# Altium PCB MB1166.PcbDoc (part 2 of 39) (continued)
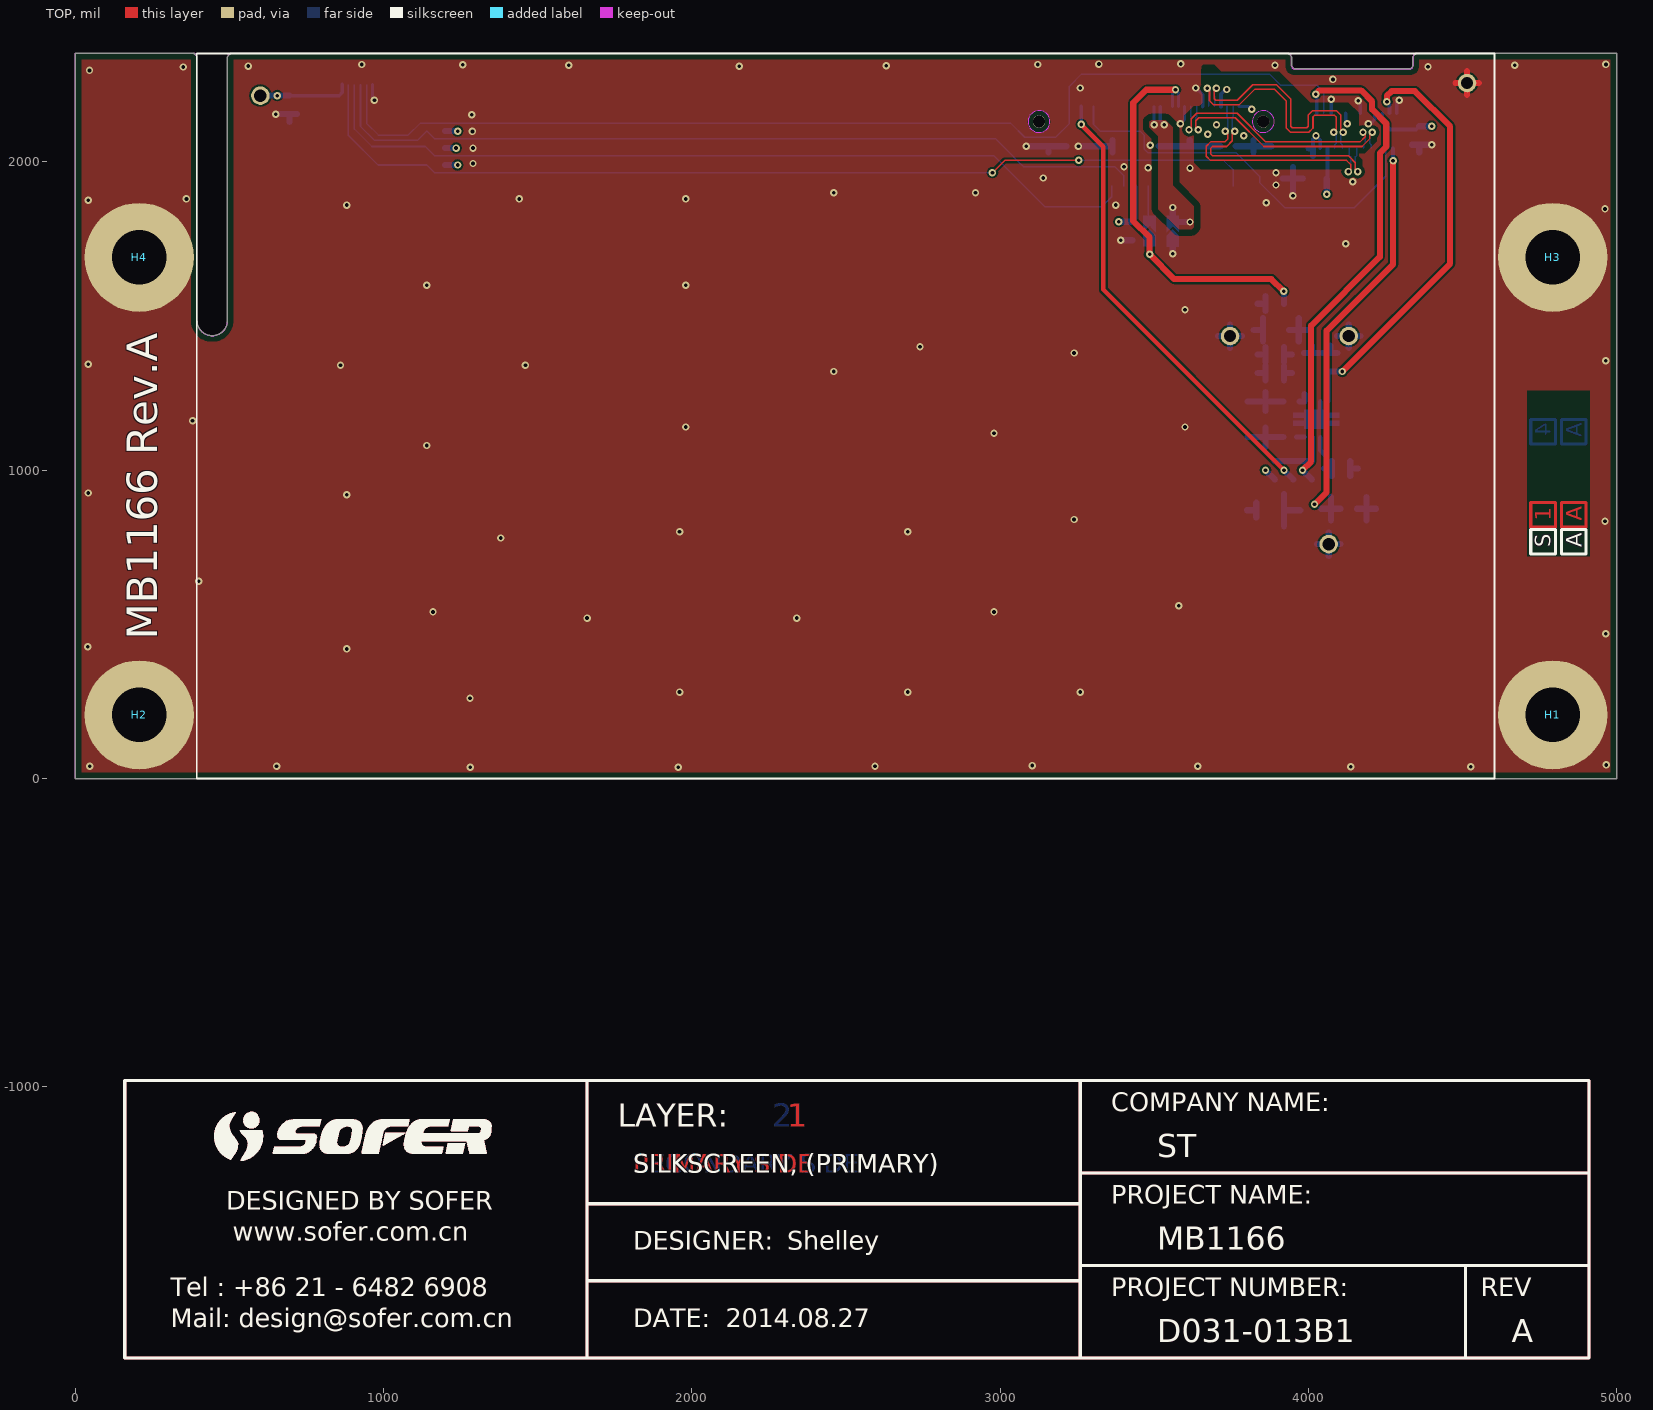
[diagram p0: TOP view]
## Nets (pads, with @x,y where several pads share a name; then routed paths per layer and width w, separated by ;. In a path a pad name is that pad's centre, name@x,y a point inside that pad or via, vN(x,y) a via of type N, cw(c..) or ccw(c..) an arc to the next point about the centre after c; other vN are vias at no path point) (continued)
883.62,-1106.74 794.17,-1196.19 ; 794.17,-1196.19 794.13,-1195.99 ; 794.17,-1196.19 794.19,-1196.28 ; 794.17,-1196.19 794.13,-1195.99 ; 794.17,-1196.19 794.19,-1196.28 ; 794.13,-1180.53 794.14,-1180.43 ; 794.13,-1180.53 794.14,-1180.43 ; 794.14,-1180.43 794.18,-1180.23 ; 794.14,-1180.43 794.18,-1180.23 ; 794.2,-1196.38 794.19,-1196.28 ; 794.2,-1196.38 794.26,-1196.68 ; 794.2,-1196.38 794.19,-1196.28 ; 794.2,-1196.38 794.26,-1196.68 ; 794.18,-1180.23 794.19,-1180.13 ; 794.18,-1180.23 794.19,-1180.13 ; 794.19,-1180.13 794.21,-1180.03 ; 794.19,-1180.13 794.21,-1180.03 ; 794.21,-1180.03 794.22,-1179.93 ; 794.21,-1180.03 794.22,-1179.93 ; 794.22,-1179.93 794.24,-1179.84 ; 794.22,-1179.93 794.24,-1179.84 ; 794.26,-1196.68 794.28,-1196.77 ; 794.26,-1196.68 794.28,-1196.77 ; 794.24,-1179.84 794.28,-1179.64 ; 794.24,-1179.84 794.28,-1179.64 ; 794.32,-1196.97 794.28,-1196.77 ; 794.32,-1196.97 794.35,-1197.07 ; 794.32,-1196.97 794.28,-1196.77 ; 794.32,-1196.97 794.35,-1197.07 ; 794.28,-1179.64 794.29,-1179.54 ; 794.28,-1179.64 794.29,-1179.54 ; 794.29,-1179.54 794.35,-1179.24 ; 794.29,-1179.54 794.35,-1179.24 ; 794.37,-1197.17 794.35,-1197.07 ; 794.37,-1197.17 794.39,-1197.26 ; 794.37,-1197.17 794.35,-1197.07 ; 794.37,-1197.17 794.39,-1197.26 ; 794.35,-1179.24 794.36,-1179.15 ; 794.35,-1179.24 794.36,-1179.15 ; 794.36,-1179.15 794.44,-1178.75 ; 794.36,-1179.15 794.44,-1178.75 ; 794.39,-1197.26 794.43,-1197.46 ; 794.39,-1197.26 794.43,-1197.46 ; 794.46,-1197.56 794.43,-1197.46 ; 794.46,-1197.56 794.48,-1197.65 ; 794.46,-1197.56 794.43,-1197.46 ; 794.46,-1197.56 794.48,-1197.65 ; 794.44,-1178.75 794.46,-1178.66 ; 794.44,-1178.75 794.46,-1178.66 ; 794.46,-1178.66 794.5,-1178.46 ; 794.46,-1178.66 794.5,-1178.46 ; 794.51,-1197.75 794.48,-1197.65 ; 794.51,-1197.75 794.53,-1197.85 ; 794.51,-1197.75 794.48,-1197.65 ; 794.51,-1197.75 794.53,-1197.85 ; 794.5,-1178.46 794.51,-1178.36 ; 794.5,-1178.46 794.51,-1178.36 ; 794.51,-1178.36 794.55,-1178.16 ; 794.51,-1178.36 794.55,-1178.16 ; 794.56,-1197.94 794.53,-1197.85 ; 794.56,-1197.94 794.58,-1198.04 ; 794.56,-1197.94 794.53,-1197.85 ; 794.56,-1197.94 794.58,-1198.04 ; 794.55,-1178.16 794.57,-1178.07 ; 794.55,-1178.16 794.57,-1178.07 ; 794.57,-1178.07 794.65,-1177.67 ; 794.57,-1178.07 794.65,-1177.67 ; 794.61,-1198.14 794.58,-1198.04 ; 794.61,-1198.14 794.63,-1198.23 ; 794.61,-1198.14 794.58,-1198.04 ; 794.61,-1198.14 794.63,-1198.23 ; 794.63,-1198.23 794.69,-1198.43 ; 794.63,-1198.23 794.69,-1198.43 ; 794.65,-1177.67 794.67,-1177.58 ; 794.65,-1177.67 794.67,-1177.58 ; 794.67,-1177.58 794.75,-1177.18 ; 794.67,-1177.58 794.75,-1177.18 ; 794.71,-1198.52 794.69,-1198.43 ; 794.71,-1198.52 794.74,-1198.62 ; 794.71,-1198.52 794.69,-1198.43 ; 794.71,-1198.52 794.74,-1198.62 ; 794.77,-1198.71 794.74,-1198.62 ; 794.77,-1198.71 794.83,-1198.91 ; 794.77,-1198.71 794.74,-1198.62 ; 794.77,-1198.71 794.83,-1198.91 ; 794.75,-1177.18 794.78,-1177.09 ; 794.75,-1177.18 794.78,-1177.09 ; 794.78,-1177.09 794.84,-1176.79 ; 794.78,-1177.09 794.84,-1176.79 ; 794.86,-1199 794.83,-1198.91 ; 794.86,-1199 794.89,-1199.1 ; 794.86,-1199 794.83,-1198.91 ; 794.86,-1199 794.89,-1199.1 ; 794.84,-1176.79 794.86,-1176.7 ; 794.84,-1176.79 794.86,-1176.7 ; 794.86,-1176.7 794.94,-1176.3 ; 794.86,-1176.7 794.94,-1176.3 ; 794.92,-1199.19 794.89,-1199.1 ; 794.92,-1199.19 794.95,-1199.29 ; 794.92,-1199.19 794.89,-1199.1 ; 794.92,-1199.19 794.95,-1199.29 ; 794.95,-1199.29 794.98,-1199.38 ; 794.95,-1199.29 794.98,-1199.38 ; 794.94,-1176.3 794.96,-1176.21 ; 794.94,-1176.3 794.96,-1176.21 ; 794.96,-1176.21 795.02,-1175.91 ; 794.96,-1176.21 795.02,-1175.91 ; 795.01,-1199.48 794.98,-1199.38 ; 795.01,-1199.48 795.04,-1199.57 ; 795.01,-1199.48 794.98,-1199.38 ; 795.01,-1199.48 795.04,-1199.57 ; 795.02,-1175.91 795.04,-1175.82 ; 795.02,-1175.91 795.04,-1175.82 ; 795.04,-1199.57 795.08,-1199.67 ; 795.04,-1199.57 795.08,-1199.67 ; 795.04,-1175.82 795.06,-1175.72 ; 795.04,-1175.82 795.06,-1175.72 ; 795.06,-1175.72 795.09,-1175.62 ; 795.06,-1175.72 795.09,-1175.62 ; 795.1,-1199.74 888.11,-1106.74 795.1,-1199.74 ; 795.11,-1199.76 795.08,-1199.67 ; 795.11,-1199.76 795.14,-1199.86 ; 795.11,-1199.76 795.08,-1199.67 ; 795.11,-1199.76 795.14,-1199.86 ; 795.09,-1175.62 795.13,-1175.42 ; 795.09,-1175.62 795.13,-1175.42 ; 795.17,-1199.95 795.14,-1199.86 ; 795.17,-1199.95 795.21,-1200.04 ; 795.17,-1199.95 795.14,-1199.86 ; 795.17,-1199.95 795.21,-1200.04 ; 795.13,-1175.42 795.15,-1175.33 ; 795.13,-1175.42 795.15,-1175.33 ; 795.15,-1175.33 795.23,-1174.93 ; 795.15,-1175.33 795.23,-1174.93 ; 795.21,-1200.04 795.24,-1200.14 ; 795.21,-1200.04 795.24,-1200.14 ; 795.24,-1200.14 795.28,-1200.23 ; 795.24,-1200.14 795.28,-1200.23 ; 795.23,-1174.93 795.25,-1174.84 ; 795.23,-1174.93 795.25,-1174.84 ; 795.25,-1174.84 795.31,-1174.54 ; 795.25,-1174.84 795.31,-1174.54 ; 795.31,-1200.32 795.28,-1200.23 ; 795.31,-1200.32 795.35,-1200.42 ; 795.31,-1200.32 795.28,-1200.23 ; 795.31,-1200.32 795.35,-1200.42 ; 795.31,-1174.54 795.34,-1174.45 ; 795.31,-1174.54 795.34,-1174.45 ; 795.35,-1200.42 795.38,-1200.51 ; 795.35,-1200.42 795.38,-1200.51 ; 795.34,-1174.45 795.42,-1174.05 ; 795.34,-1174.45 795.42,-1174.05 ; 795.42,-1200.6 795.38,-1200.51 ; 795.42,-1200.6 795.46,-1200.7 ; 795.42,-1200.6 795.38,-1200.51 ; 795.42,-1200.6 795.46,-1200.7 ; 795.42,-1174.05 795.44,-1173.96 ; 795.42,-1174.05 795.44,-1173.96 ; 795.46,-1200.7 795.49,-1200.79 ; 795.46,-1200.7 795.49,-1200.79 ; 795.44,-1173.96 795.5,-1173.66 ; 795.44,-1173.96 795.5,-1173.66 ; 795.49,-1200.79 795.53,-1200.88 ; 795.49,-1200.79 795.53,-1200.88 ; 795.5,-1173.66 795.53,-1173.57 ; 795.5,-1173.66 795.53,-1173.57 ; 795.57,-1200.98 795.53,-1200.88 ; 795.57,-1200.98 795.65,-1201.16 ; 795.57,-1200.98 795.53,-1200.88 ; 795.57,-1200.98 795.65,-1201.16 ; 795.53,-1173.57 795.59,-1173.27 ; 795.53,-1173.57 795.59,-1173.27 ; 795.59,-1173.27 795.61,-1173.18 ; 795.59,-1173.27 795.61,-1173.18 ; 795.61,-1173.18 795.69,-1172.78 ; 795.61,-1173.18 795.69,-1172.78 ; 795.65,-1201.16 795.68,-1201.25 ; 795.65,-1201.16 795.68,-1201.25 ; 795.72,-1201.34 795.68,-1201.25 ; 795.72,-1201.34 795.76,-1201.44 ; 795.72,-1201.34 795.68,-1201.25 ; 795.72,-1201.34 795.76,-1201.44 ; 795.69,-1172.78 795.72,-1172.69 ; 795.69,-1172.78 795.72,-1172.69 ; 795.72,-1172.69 795.78,-1172.39 ; 795.72,-1172.69 795.78,-1172.39 ; 795.76,-1201.44 795.8,-1201.53 ; 795.76,-1201.44 795.8,-1201.53 ; 795.8,-1201.53 795.85,-1201.62 ; 795.8,-1201.53 795.85,-1201.62 ; 795.78,-1172.39 795.8,-1172.3 ; 795.78,-1172.39 795.8,-1172.3 ; 795.8,-1172.3 795.86,-1172 ; 795.8,-1172.3 795.86,-1172 ; 795.85,-1201.62 796.05,-1202.07 ; 795.85,-1201.62 796.05,-1202.07 ; 795.86,-1172 795.89,-1171.9 ; 795.86,-1172 795.89,-1171.9 ; 795.89,-1171.9 795.91,-1171.81 ; 795.89,-1171.9 795.91,-1171.81 ; 795.91,-1171.81 795.97,-1171.51 ; 795.91,-1171.81 795.97,-1171.51 ; 795.97,-1171.51 795.99,-1171.42 ; 795.97,-1171.51 795.99,-1171.42 ; 795.99,-1171.42 796.01,-1171.32 ; 795.99,-1171.42 796.01,-1171.32 ; 796.01,-1171.32 796.04,-1171.22 ; 796.01,-1171.32 796.04,-1171.22 ; 796.05,-1202.07 796.1,-1202.16 ; 796.05,-1202.07 796.1,-1202.16 ; 796.04,-1171.22 796.06,-1171.12 ; 796.04,-1171.22 796.06,-1171.12 ; 796.06,-1171.12 796.08,-1171.03 ; 796.06,-1171.12 796.08,-1171.03 ; 796.1,-1202.16 796.18,-1202.34 ; 796.1,-1202.16 796.18,-1202.34 ; 796.08,-1171.03 796.16,-1170.63 ; 796.08,-1171.03 796.16,-1170.63 ; 796.16,-1170.63 796.19,-1170.54 ; 796.16,-1170.63 796.19,-1170.54 ; 796.18,-1202.34 796.23,-1202.43 ; 796.18,-1202.34 796.23,-1202.43 ; 796.19,-1170.54 796.25,-1170.24 ; 796.19,-1170.54 796.25,-1170.24 ; 796.27,-1202.52 796.23,-1202.43 ; 796.27,-1202.52 796.32,-1202.61 ; 796.27,-1202.52 796.23,-1202.43 ; 796.27,-1202.52 796.32,-1202.61 ; 796.25,-1170.24 796.27,-1170.15 ; 796.25,-1170.24 796.27,-1170.15 ; 796.27,-1170.15 796.31,-1169.95 ; 796.27,-1170.15 796.31,-1169.95 ; 796.32,-1202.61 796.36,-1202.7 ; 796.32,-1202.61 796.36,-1202.7 ; 796.31,-1169.95 796.34,-1169.85 ; 796.31,-1169.95 796.34,-1169.85 ; 796.36,-1202.7 796.41,-1202.79 ; 796.36,-1202.7 796.41,-1202.79 ; 796.34,-1169.85 796.36,-1169.76 ; 796.34,-1169.85 796.36,-1169.76 ; 796.36,-1169.76 796.42,-1169.46 ; 796.36,-1169.76 796.42,-1169.46 ; 796.41,-1202.79 796.45,-1202.88 ; 796.41,-1202.79 796.45,-1202.88 ; 796.42,-1169.46 796.44,-1169.37 ; 796.42,-1169.46 796.44,-1169.37 ; 796.46,-1202.88 855.94,-1143.4 796.46,-1202.88 ; 796.45,-1202.88 796.55,-1203.06 ; 796.45,-1202.88 796.55,-1203.06 ; 796.44,-1169.37 796.46,-1169.27 ; 796.44,-1169.37 796.46,-1169.27 ; 796.46,-1169.27 796.49,-1169.17 ; 796.46,-1169.27 796.49,-1169.17 ; 796.49,-1169.17 796.53,-1168.97 ; 796.49,-1169.17 796.53,-1168.97 ; 796.55,-1203.06 796.6,-1203.14 ; 796.55,-1203.06 796.6,-1203.14 ; 796.53,-1168.97 796.55,-1168.88 ; 796.53,-1168.97 796.55,-1168.88 ; 796.55,-1168.88 796.61,-1168.58 ; 796.55,-1168.88 796.61,-1168.58 ; 796.6,-1203.14 796.64,-1203.23 ; 796.6,-1203.14 796.64,-1203.23 ; 796.61,-1168.58 796.64,-1168.49 ; 796.61,-1168.58 796.64,-1168.49 ; 796.64,-1203.23 796.74,-1203.41 ; 796.64,-1203.23 796.74,-1203.41 ; 796.64,-1168.49 796.7,-1168.19 ; 796.64,-1168.49 796.7,-1168.19 ; 796.7,-1168.19 796.72,-1168.1 ; 796.7,-1168.19 796.72,-1168.1 ; 796.72,-1168.1 796.74,-1168 ; 796.72,-1168.1 796.74,-1168 ; 796.74,-1203.41 796.79,-1203.49 ; 796.74,-1203.41 796.79,-1203.49 ; 796.74,-1168 796.77,-1167.9 ; 796.74,-1168 796.77,-1167.9 ; 796.77,-1167.9 796.81,-1167.7 ; 796.77,-1167.9 796.81,-1167.7 ; 796.79,-1203.49 796.94,-1203.76 ; 796.79,-1203.49 796.94,-1203.76 ; 796.81,-1167.7 796.83,-1167.61 ; 796.81,-1167.7 796.83,-1167.61 ; 796.83,-1167.61 796.89,-1167.31 ; 796.83,-1167.61 796.89,-1167.31 ; 796.89,-1167.31 796.92,-1167.22 ; 796.89,-1167.31 796.92,-1167.22 ; 796.92,-1167.22 796.98,-1166.92 ; 796.92,-1167.22 796.98,-1166.92 ; 796.94,-1203.76 796.99,-1203.84 ; 796.94,-1203.76 796.99,-1203.84 ; 796.99,-1203.84 797.04,-1203.93 ; 796.99,-1203.84 797.04,-1203.93 ; 796.98,-1166.92 797,-1166.83 ; 796.98,-1166.92 797,-1166.83 ; 797,-1166.83 797.04,-1166.63 ; 797,-1166.83 797.04,-1166.63 ; 797.04,-1203.93 797.09,-1204.01 ; 797.04,-1203.93 797.09,-1204.01 ; 797.04,-1166.63 797.07,-1166.53 ; 797.04,-1166.63 797.07,-1166.53 ; 797.07,-1166.53 797.09,-1166.44 ; 797.07,-1166.53 797.09,-1166.44 ; 797.09,-1204.01 797.19,-1204.19 ; 797.09,-1204.01 797.19,-1204.19 ; 797.09,-1166.44 797.17,-1166.04 ; 797.09,-1166.44 797.17,-1166.04 ; 797.17,-1166.04 797.2,-1165.95 ; 797.17,-1166.04 797.2,-1165.95 ; 797.19,-1204.19 797.24,-1204.27 ; 797.19,-1204.19 797.24,-1204.27 ; 797.2,-1165.95 797.26,-1165.65 ; 797.2,-1165.95 797.26,-1165.65 ; 797.24,-1204.27 797.3,-1204.36 ; 797.24,-1204.27 797.3,-1204.36 ; 797.26,-1165.65 797.28,-1165.56 ; 797.26,-1165.65 797.28,-1165.56 ; 797.3,-1204.36 797.35,-1204.44 ; 797.3,-1204.36 797.35,-1204.44 ; 797.28,-1165.56 797.3,-1165.46 ; 797.28,-1165.56 797.3,-1165.46 ; 797.3,-1165.46 797.33,-1165.36 ; 797.3,-1165.46 797.33,-1165.36 ; 797.35,-1204.44 797.4,-1204.53 ; 797.35,-1204.44 797.4,-1204.53 ; 797.33,-1165.36 797.35,-1165.26 ; 797.33,-1165.36 797.35,-1165.26 ; 797.35,-1165.26 797.37,-1165.17 ; 797.35,-1165.26 797.37,-1165.17 ; 797.37,-1165.17 797.43,-1164.87 ; 797.37,-1165.17 797.43,-1164.87 ; 797.4,-1204.53 797.46,-1204.61 ; 797.4,-1204.53 797.46,-1204.61 ; 797.46,-1204.61 797.51,-1204.69 ; 797.46,-1204.61 797.51,-1204.69 ; 797.43,-1164.87 797.46,-1164.78 ; 797.43,-1164.87 797.46,-1164.78 ; 797.46,-1164.78 797.52,-1164.48 ; 797.46,-1164.78 797.52,-1164.48 ; 797.51,-1204.69 797.57,-1204.78 ; 797.51,-1204.69 797.57,-1204.78 ; 797.52,-1164.48 797.54,-1164.39 ; 797.52,-1164.48 797.54,-1164.39 ; 797.57,-1204.78 797.62,-1204.86 ; 797.57,-1204.78 797.62,-1204.86 ; 797.54,-1164.39 797.56,-1164.29 ; 797.54,-1164.39 797.56,-1164.29 ; 797.56,-1164.29 797.59,-1164.19 ; 797.56,-1164.29 797.59,-1164.19 ; 797.62,-1204.86 797.68,-1204.94 ; 797.62,-1204.86 797.68,-1204.94 ; 797.59,-1164.19 797.63,-1163.99 ; 797.59,-1164.19 797.63,-1163.99 ; 797.63,-1163.99 797.65,-1163.9 ; 797.63,-1163.99 797.65,-1163.9 ; 797.65,-1163.9 797.67,-1163.8 ; 797.65,-1163.9 797.67,-1163.8 ; 797.67,-1163.8 797.7,-1163.7 ; 797.67,-1163.8 797.7,-1163.7 ; 797.68,-1204.94 797.73,-1205.03 ; 797.68,-1204.94 797.73,-1205.03 ; 797.7,-1163.7 797.72,-1163.6 ; 797.7,-1163.7 797.72,-1163.6 ; 797.72,-1163.6 797.74,-1163.51 ; 797.72,-1163.6 797.74,-1163.51 ; 797.73,-1205.03 797.79,-1205.11 ; 797.73,-1205.03 797.79,-1205.11 ; 797.74,-1163.51 797.78,-1163.31 ; 797.74,-1163.51 797.78,-1163.31 ; 797.79,-1205.11 797.84,-1205.19 ; 797.79,-1205.11 797.84,-1205.19 ; 797.78,-1163.31 797.81,-1163.21 ; 797.78,-1163.31 797.81,-1163.21 ; 797.81,-1163.21 797.83,-1163.12 ; 797.81,-1163.21 797.83,-1163.12 ; 797.84,-1205.19 797.9,-1205.27 ; 797.84,-1205.19 797.9,-1205.27 ; 797.83,-1163.12 797.87,-1162.92 ; 797.83,-1163.12 797.87,-1162.92 ; 797.87,-1162.92 797.9,-1162.82 ; 797.87,-1162.92 797.9,-1162.82 ; 797.9,-1205.27 797.96,-1205.36 ; 797.9,-1205.27 797.96,-1205.36 ; 797.9,-1162.82 797.92,-1162.73 ; 797.9,-1162.82 797.92,-1162.73 ; 797.92,-1162.73 797.98,-1162.43 ; 797.92,-1162.73 797.98,-1162.43 ; 797.96,-1205.36 798.02,-1205.44 ; 797.96,-1205.36 798.02,-1205.44 ; 798.02,-1205.44 798.07,-1205.52 ; 798.02,-1205.44 798.07,-1205.52 ; 797.98,-1162.43 798.01,-1162.34 ; 797.98,-1162.43 798.01,-1162.34 ; 798.01,-1162.34 798.07,-1162.04 ; 798.01,-1162.34 798.07,-1162.04 ; 798.07,-1205.52 798.67,-1206.32 ; 798.07,-1205.52 798.67,-1206.32 ; 798.07,-1162.04 798.1,-1161.95 ; 798.07,-1162.04 798.1,-1161.95 ; 798.1,-1161.95 798.14,-1161.75 ; 798.1,-1161.95 798.14,-1161.75 ; 798.14,-1161.75 798.17,-1161.66 ; 798.14,-1161.75 798.17,-1161.66 ; 798.17,-1161.66 798.23,-1161.36 ; 798.17,-1161.66 798.23,-1161.36 ; 798.23,-1161.36 798.26,-1161.27 ; 798.23,-1161.36 798.26,-1161.27 ; 798.26,-1161.27 798.3,-1161.07 ; 798.26,-1161.27 798.3,-1161.07 ; 798.3,-1161.07 798.33,-1160.97 ; 798.3,-1161.07 798.33,-1160.97 ; 798.33,-1160.97 798.35,-1160.88 ; 798.33,-1160.97 798.35,-1160.88 ; 798.35,-1160.88 798.37,-1160.78 ; 798.35,-1160.88 798.37,-1160.78 ; 798.37,-1160.78 798.4,-1160.68 ; 798.37,-1160.78 798.4,-1160.68 ; 798.4,-1160.68 798.42,-1160.58 ; 798.4,-1160.68 798.42,-1160.58 ; 798.42,-1160.58 798.44,-1160.49 ; 798.42,-1160.58 798.44,-1160.49 ; 798.44,-1160.49 798.47,-1160.39 ; 798.44,-1160.48 852.19,-1106.74 798.44,-1160.48 ; 798.44,-1160.49 798.47,-1160.39 ; 798.47,-1160.39 798.49,-1160.29 ; 798.47,-1160.39 798.49,-1160.29 ; 798.49,-1160.29 798.51,-1160.2 ; 798.49,-1160.29 798.51,-1160.2 ; 798.51,-1160.2 798.54,-1160.1 ; 798.51,-1160.2 798.54,-1160.1 ; 798.54,-1160.1 798.58,-1159.9 ; 798.54,-1160.1 798.58,-1159.9 ; 798.58,-1159.9 798.61,-1159.81 ; 798.58,-1159.9 798.61,-1159.81 ; 798.61,-1159.81 798.63,-1159.71 ; 798.61,-1159.81 798.63,-1159.71 ; 798.67,-1206.32 798.74,-1206.4 ; 798.67,-1206.32 798.74,-1206.4 ; 798.63,-1159.71 798.66,-1159.61 ; 798.63,-1159.71 798.66,-1159.61 ; 798.66,-1159.61 798.68,-1159.52 ; 798.66,-1159.61 798.68,-1159.52 ; 798.68,-1159.52 798.7,-1159.42 ; 798.68,-1159.52 798.7,-1159.42 ; 798.7,-1159.42 798.73,-1159.32 ; 798.7,-1159.42 798.73,-1159.32 ; 798.74,-1206.4 798.8,-1206.48 ; 798.74,-1206.4 798.8,-1206.48 ; 798.73,-1159.32 798.75,-1159.23 ; 798.73,-1159.32 798.75,-1159.23 ; 798.75,-1159.23 798.78,-1159.13 ; 798.75,-1159.23 798.78,-1159.13 ; 798.8,-1206.48 798.86,-1206.55 ; 798.8,-1206.48 798.86,-1206.55 ; 798.78,-1159.13 798.8,-1159.03 ; 798.78,-1159.13 798.8,-1159.03 ; 798.8,-1159.03 798.83,-1158.93 ; 798.8,-1159.03 798.83,-1158.93 ; 798.86,-1206.55 798.93,-1206.63 ; 798.86,-1206.55 798.93,-1206.63 ; 798.83,-1158.93 798.85,-1158.84 ; 798.83,-1158.93 798.85,-1158.84 ; 798.85,-1158.84 798.87,-1158.74 ; 798.85,-1158.84 798.87,-1158.74 ; 798.87,-1158.74 798.9,-1158.64 ; 798.87,-1158.74 798.9,-1158.64 ; 798.9,-1158.64 798.92,-1158.55 ; 798.9,-1158.64 798.92,-1158.55 ; 798.92,-1158.55 798.95,-1158.45 ; 798.92,-1158.55 798.95,-1158.45 ; 798.93,-1206.63 798.99,-1206.71 ; 798.93,-1206.63 798.99,-1206.71 ; 798.95,-1158.45 798.97,-1158.35 ; 798.95,-1158.45 798.97,-1158.35 ; 798.97,-1158.35 799,-1158.26 ; 798.97,-1158.35 799,-1158.26 ; 798.99,-1206.71 799.05,-1206.78 ; 798.99,-1206.71 799.05,-1206.78 ; 799,-1158.26 799.02,-1158.16 ; 799,-1158.26 799.02,-1158.16 ; 799.02,-1158.16 799.05,-1158.06 ; 799.02,-1158.16 799.05,-1158.06 ; 799.05,-1206.78 799.12,-1206.86 ; 799.05,-1206.78 799.12,-1206.86 ; 799.05,-1158.06 799.07,-1157.97 ; 799.05,-1158.06 799.07,-1157.97 ; 799.07,-1157.97 799.1,-1157.87 ; 799.07,-1157.97 799.1,-1157.87 ; 799.12,-1206.86 799.18,-1206.94 ; 799.12,-1206.86 799.18,-1206.94 ; 799.1,-1157.87 799.12,-1157.77 ; 799.1,-1157.87 799.12,-1157.77 ; 799.12,-1157.77 799.15,-1157.68 ; 799.12,-1157.77 799.15,-1157.68 ; 799.15,-1157.68 799.17,-1157.58 ; 799.15,-1157.68 799.17,-1157.58 ; 799.17,-1157.58 799.23,-1157.38 ; 799.17,-1157.58 799.23,-1157.38 ; 799.18,-1206.94 799.25,-1207.01 ; 799.18,-1206.94 799.25,-1207.01 ; 799.25,-1207.01 799.31,-1207.09 ; 799.25,-1207.01 799.31,-1207.09 ; 799.23,-1157.38 799.25,-1157.29 ; 799.23,-1157.38 799.25,-1157.29 ; 799.25,-1157.29 799.28,-1157.19 ; 799.25,-1157.29 799.28,-1157.19 ; 799.31,-1207.09 799.38,-1207.16 ; 799.31,-1207.09 799.38,-1207.16 ; 799.28,-1157.19 799.3,-1157.1 ; 799.28,-1157.19 799.3,-1157.1 ; 799.3,-1157.1 799.33,-1157 ; 799.3,-1157.1 799.33,-1157 ; 799.33,-1157 799.35,-1156.9 ; 799.33,-1157 799.35,-1156.9 ; 799.35,-1156.9 799.38,-1156.81 ; 799.35,-1156.9 799.38,-1156.81 ; 799.38,-1207.16 799.45,-1207.24 ; 799.38,-1207.16 799.45,-1207.24 ; 799.38,-1156.81 799.41,-1156.71 ; 799.38,-1156.81 799.41,-1156.71 ; 799.41,-1156.71 799.43,-1156.61 ; 799.41,-1156.71 799.43,-1156.61 ; 799.45,-1207.24 799.51,-1207.31 ; 799.45,-1207.24 799.51,-1207.31 ; 799.43,-1156.61 799.46,-1156.52 ; 799.43,-1156.61 799.46,-1156.52 ; 799.46,-1156.52 799.49,-1156.42 ; 799.46,-1156.52 799.49,-1156.42 ; 799.51,-1207.31 799.58,-1207.39 ; 799.51,-1207.31 799.58,-1207.39 ; 799.49,-1156.42 799.51,-1156.32 ; 799.49,-1156.42 799.51,-1156.32 ; 799.51,-1156.32 799.54,-1156.23 ; 799.51,-1156.32 799.54,-1156.23 ; 799.54,-1156.23 799.56,-1156.13 ; 799.54,-1156.23 799.56,-1156.13 ; 799.56,-1156.13 799.59,-1156.03 ; 799.56,-1156.13 799.59,-1156.03 ; 799.58,-1207.39 799.79,-1207.6 ; 799.58,-1207.39 799.79,-1207.6 ; 799.59,-1156.03 799.62,-1155.94 ; 799.59,-1156.03 799.62,-1155.94 ; 799.62,-1155.94 799.64,-1155.84 ; 799.62,-1155.94 799.64,-1155.84 ; 799.64,-1155.84 799.67,-1155.74 ; 799.64,-1155.84 799.67,-1155.74 ; 799.67,-1155.74 799.7,-1155.65 ; 799.67,-1155.74 799.7,-1155.65 ; 799.7,-1155.65 799.73,-1155.55 ; 799.7,-1155.65 799.73,-1155.55 ; 799.73,-1155.55 799.75,-1155.46 ; 799.73,-1155.55 799.75,-1155.46 ; 799.75,-1155.46 799.81,-1155.26 ; 799.75,-1155.46 799.81,-1155.26 ; 799.79,-1207.6 799.86,-1207.68 ; 799.79,-1207.6 799.86,-1207.68 ; 799.81,-1155.26 799.83,-1155.17 ; 799.81,-1155.26 799.83,-1155.17 ; 799.86,-1207.68 799.92,-1207.75 ; 799.86,-1207.68 799.92,-1207.75 ; 799.83,-1155.17 799.89,-1154.97 ; 799.83,-1155.17 799.89,-1154.97 ; 799.92,-1207.75 800.2,-1208.03 ; 799.92,-1207.75 800.2,-1208.03 ; 799.89,-1154.97 799.92,-1154.88 ; 799.89,-1154.97 799.92,-1154.88 ; 799.92,-1154.88 799.94,-1154.78 ; 799.92,-1154.88 799.94,-1154.78 ; 799.94,-1154.78 799.97,-1154.69 ; 799.94,-1154.78 799.97,-1154.69 ; 799.97,-1154.69 800.03,-1154.49 ; 799.97,-1154.69 800.03,-1154.49 ; 800.03,-1154.49 800.06,-1154.4 ; 800.03,-1154.49 800.06,-1154.4 ; 800.06,-1154.4 800.08,-1154.3 ; 800.06,-1154.4 800.08,-1154.3 ; 800.08,-1154.3 800.11,-1154.21 ; 800.08,-1154.3 800.11,-1154.21 ; 800.11,-1154.21 800.17,-1154.01 ; 800.11,-1154.21 800.17,-1154.01 ; 800.17,-1154.01 800.2,-1153.92 ; 800.17,-1154.01 800.2,-1153.92 ; 800.2,-1208.03 800.28,-1208.1 ; 800.2,-1208.03 800.28,-1208.1 ; 800.2,-1153.92 800.23,-1153.82 ; 800.2,-1153.92 800.23,-1153.82 ; 800.23,-1153.82 800.25,-1153.73 ; 800.23,-1153.82 800.25,-1153.73 ; 800.25,-1153.73 800.28,-1153.63 ; 800.25,-1153.73 800.28,-1153.63 ; 800.28,-1208.1 800.56,-1208.38 ; 800.28,-1208.1 800.56,-1208.38 ; 800.28,-1153.63 800.31,-1153.54 ; 800.28,-1153.63 800.31,-1153.54 ; 800.31,-1153.54 800.37,-1153.34 ; 800.31,-1153.54 800.37,-1153.34 ; 800.37,-1153.34 800.4,-1153.25 ; 800.37,-1153.34 800.4,-1153.25 ; 800.4,-1153.25 800.43,-1153.15 ; 800.4,-1153.25 800.43,-1153.15 ; 800.43,-1153.15 800.46,-1153.06 ; 800.43,-1153.15 800.46,-1153.06 ; 800.46,-1153.06 800.49,-1152.96 ; 800.46,-1153.06 800.49,-1152.96 ; 800.49,-1152.96 800.52,-1152.87 ; 800.49,-1152.96 800.52,-1152.87 ; 800.52,-1152.87 800.54,-1152.77 ; 800.52,-1152.87 800.54,-1152.77 ; 800.56,-1208.38 800.64,-1208.45 ; 800.56,-1208.38 800.64,-1208.45 ; 800.54,-1152.77 800.57,-1152.67 ; 800.54,-1152.77 800.57,-1152.67 ; 800.57,-1152.67 800.6,-1152.58 ; 800.57,-1152.67 800.6,-1152.58 ; 800.6,-1152.58 800.63,-1152.48 ; 800.6,-1152.58 800.63,-1152.48 ; 800.64,-1208.45 800.78,-1208.59 ; 800.64,-1208.45 800.78,-1208.59 ; 800.63,-1152.48 800.66,-1152.39 ; 800.63,-1152.48 800.66,-1152.39 ; 800.66,-1152.39 800.69,-1152.29 ; 800.66,-1152.39 800.69,-1152.29 ; 800.69,-1152.29 800.72,-1152.2 ; 800.69,-1152.29 800.72,-1152.2 ; 800.72,-1152.2 800.75,-1152.1 ; 800.72,-1152.2 800.75,-1152.1 ; 800.75,-1152.1 800.78,-1152.01 ; 800.75,-1152.1 800.78,-1152.01 ; 800.78,-1208.59 800.86,-1208.65 ; 800.78,-1208.59 800.86,-1208.65 ; 800.78,-1152.01 800.81,-1151.91 ; 800.78,-1152.01 800.81,-1151.91 ; 800.81,-1151.91 800.84,-1151.82 ; 800.81,-1151.91 800.84,-1151.82 ; 800.86,-1208.65 800.93,-1208.72 ; 800.86,-1208.65 800.93,-1208.72 ; 800.84,-1151.82 800.87,-1151.72 ; 800.84,-1151.82 800.87,-1151.72 ; 800.87,-1151.72 800.9,-1151.63 ; 800.87,-1151.72 800.9,-1151.63 ; 800.9,-1151.63 800.93,-1151.53 ; 800.9,-1151.63 800.93,-1151.53 ; 800.93,-1208.72 801.01,-1208.79 ; 800.93,-1208.72 801.01,-1208.79 ; 800.93,-1151.53 800.97,-1151.43 ; 800.93,-1151.53 800.97,-1151.43 ; 800.97,-1151.43 801,-1151.34 ; 800.97,-1151.43 801,-1151.34 ; 801.01,-1208.79 801.08,-1208.86 ; 801.01,-1208.79 801.08,-1208.86 ; 801,-1151.34 801.03,-1151.24 ; 801,-1151.34 801.03,-1151.24 ; 801.03,-1151.24 801.06,-1151.15 ; 801.03,-1151.24 801.06,-1151.15 ; 801.06,-1151.15 801.09,-1151.05 ; 801.06,-1151.15 801.09,-1151.05 ; 801.08,-1208.86 801.15,-1208.92 ; 801.08,-1208.86 801.15,-1208.92 ; 801.09,-1151.05 801.12,-1150.96 ; 801.09,-1151.05 801.12,-1150.96 ; 801.12,-1150.96 801.15,-1150.86 ; 801.12,-1150.96 801.15,-1150.86 ; 801.15,-1208.92 801.23,-1208.99 ; 801.15,-1208.92 801.23,-1208.99 ; 801.15,-1150.86 801.18,-1150.77 ; 801.15,-1150.86 801.18,-1150.77 ; 801.18,-1150.77 801.21,-1150.67 ; 801.18,-1150.77 801.21,-1150.67 ; 801.21,-1150.67 801.24,-1150.58 ; 801.21,-1150.67 801.24,-1150.58 ; 801.23,-1208.99 801.31,-1209.05 ; 801.23,-1208.99 801.31,-1209.05 ; 801.24,-1150.58 801.28,-1150.48 ; 801.24,-1150.58 801.28,-1150.48 ; 801.31,-1209.05 801.38,-1209.12 ; 801.31,-1209.05 801.38,-1209.12 ; 801.28,-1150.48 801.31,-1150.39 ; 801.28,-1150.48 801.31,-1150.39 ; 801.31,-1150.39 801.34,-1150.29 ; 801.31,-1150.39 801.34,-1150.29 ; 801.34,-1150.29 801.4,-1150.11 ; 801.34,-1150.29 801.4,-1150.11 ; 801.38,-1209.12 801.46,-1209.18 ; 801.38,-1209.12 801.46,-1209.18 ; 801.4,-1150.11 801.43,-1150.01 ; 801.4,-1150.11 801.43,-1150.01 ; 801.46,-1209.18 801.53,-1209.25 ; 801.46,-1209.18 801.53,-1209.25 ; 801.43,-1150.01 801.47,-1149.92 ; 801.43,-1150.01 801.47,-1149.92 ; 801.47,-1149.92 801.5,-1149.82 ; 801.47,-1149.92 801.5,-1149.82 ; 801.5,-1149.82 801.53,-1149.73 ; 801.5,-1149.82 801.53,-1149.73 ; 801.53,-1209.25 801.61,-1209.31 ; 801.53,-1209.25 801.61,-1209.31 ; 801.53,-1149.73 801.56,-1149.63 ; 801.53,-1149.73 801.56,-1149.63 ; 801.56,-1149.63 801.6,-1149.54 ; 801.56,-1149.63 801.6,-1149.54 ; 801.61,-1209.31 801.69,-1209.38 ; 801.61,-1209.31 801.69,-1209.38 ; 801.6,-1149.54 801.63,-1149.44 ; 801.6,-1149.54 801.63,-1149.44 ; 801.63,-1149.44 801.66,-1149.35 ; 801.63,-1149.44 801.66,-1149.35 ; 801.66,-1149.35 801.69,-1149.25 ; 801.66,-1149.35 801.69,-1149.25 ; 801.69,-1209.38 801.76,-1209.44 ; 801.69,-1209.38 801.76,-1209.44 ; 801.69,-1149.25 801.73,-1149.16 ; 801.69,-1149.25 801.73,-1149.16 ; 801.76,-1209.44 801.84,-1209.5 ; 801.76,-1209.44 801.84,-1209.5 ; 801.73,-1149.16 801.76,-1149.06 ; 801.73,-1149.16 801.76,-1149.06 ; 801.76,-1149.06 801.79,-1148.97 ; 801.76,-1149.06 801.79,-1148.97 ; 801.79,-1148.97 801.83,-1148.88 ; 801.79,-1148.97 801.83,-1148.88 ; 801.84,-1209.5 801.92,-1209.57 ; 801.84,-1209.5 801.92,-1209.57 ; 801.83,-1148.88 801.86,-1148.78 ; 801.83,-1148.88 801.86,-1148.78 ; 801.86,-1148.78 801.89,-1148.69 ; 801.86,-1148.78 801.89,-1148.69 ; 801.92,-1209.57 802.08,-1209.69 ; 801.92,-1209.57 802.08,-1209.69 ; 801.89,-1148.69 801.93,-1148.59 ; 801.89,-1148.69 801.93,-1148.59 ; 801.93,-1148.59 801.96,-1148.5 ; 801.93,-1148.59 801.96,-1148.5 ; 801.96,-1148.5 801.99,-1148.4 ; 801.96,-1148.5 801.99,-1148.4 ; 801.99,-1148.4 802.03,-1148.31 ; 801.99,-1148.4 802.03,-1148.31 ; 802.03,-1148.31 802.06,-1148.22 ; 802.03,-1148.31 802.06,-1148.22 ; 802.06,-1148.22 802.09,-1148.12 ; 802.06,-1148.22 802.09,-1148.12 ; 802.08,-1209.69 802.15,-1209.75 ; 802.08,-1209.69 802.15,-1209.75 ; 802.09,-1148.12 802.13,-1148.03 ; 802.09,-1148.12 802.13,-1148.03 ; 802.15,-1209.75 802.23,-1209.82 ; 802.15,-1209.75 802.23,-1209.82 ; 802.13,-1148.03 802.16,-1147.93 ; 802.13,-1148.03 802.16,-1147.93 ; 802.16,-1147.93 802.2,-1147.84 ; 802.16,-1147.93 802.2,-1147.84 ; 802.2,-1147.84 802.23,-1147.75 ; 802.2,-1147.84 802.23,-1147.75 ; 802.23,-1209.82 803.27,-1210.6 ; 802.23,-1209.82 803.27,-1210.6 ; 802.23,-1147.75 802.26,-1147.65 ; 802.23,-1147.75 802.26,-1147.65 ; 802.26,-1147.65 802.3,-1147.56 ; 802.26,-1147.65 802.3,-1147.56 ; 802.3,-1147.56 802.33,-1147.46 ; 802.3,-1147.56 802.33,-1147.46 ; 802.33,-1147.46 802.37,-1147.37 ; 802.33,-1147.46 802.37,-1147.37 ; 802.37,-1147.37 802.4,-1147.28 ; 802.37,-1147.37 802.4,-1147.28 ; 802.4,-1147.28 802.44,-1147.18 ; 802.4,-1147.28 802.44,-1147.18 ; 802.44,-1147.18 802.47,-1147.09 ; 802.44,-1147.18 802.47,-1147.09 ; 802.47,-1147.09 802.51,-1147 ; 802.47,-1147.09 802.51,-1147 ; 802.51,-1147 802.54,-1146.9 ; 802.51,-1147 802.54,-1146.9 ; 802.54,-1146.9 802.58,-1146.81 ; 802.54,-1146.9 802.58,-1146.81 ; 802.58,-1146.81 802.61,-1146.71 ; 802.58,-1146.81 802.61,-1146.71 ; 802.61,-1146.71 802.65,-1146.62 ; 802.61,-1146.71 802.65,-1146.62 ; 802.65,-1146.62 802.68,-1146.53 ; 802.65,-1146.62 802.68,-1146.53 ; 802.68,-1146.53 802.72,-1146.43 ; 802.68,-1146.53 802.72,-1146.43 ; 802.72,-1146.43 802.76,-1146.34 ; 802.72,-1146.43 802.76,-1146.34 ; 802.76,-1146.34 802.79,-1146.25 ; 802.76,-1146.34 802.79,-1146.25 ; 802.79,-1146.25 802.83,-1146.15 ; 802.79,-1146.25 802.83,-1146.15 ; 802.83,-1146.15 802.86,-1146.06 ; 802.83,-1146.15 802.86,-1146.06 ; 802.86,-1146.06 802.9,-1145.97 ; 802.86,-1146.06 802.9,-1145.97 ; 802.9,-1145.97 802.94,-1145.87 ; 802.9,-1145.97 802.94,-1145.87 ; 802.94,-1145.87 802.97,-1145.78 ; 802.94,-1145.87 802.97,-1145.78 ; 802.97,-1145.78 803.05,-1145.6 ; 802.97,-1145.78 803.05,-1145.6 ; 803.05,-1145.6 803.08,-1145.5 ; 803.05,-1145.6 803.08,-1145.5 ; 803.08,-1145.5 803.16,-1145.32 ; 803.08,-1145.5 803.16,-1145.32 ; 803.16,-1145.32 803.19,-1145.22 ; 803.16,-1145.32 803.19,-1145.22 ; 803.19,-1145.22 803.31,-1144.95 ; 803.19,-1145.22 803.31,-1144.95 ; 803.27,-1210.6 803.35,-1210.65 ; 803.27,-1210.6 803.35,-1210.65 ; 803.31,-1144.95 803.34,-1144.85 ; 803.31,-1144.95 803.34,-1144.85 ; 803.35,-1210.65 803.44,-1210.71 ; 803.35,-1210.65 803.44,-1210.71 ; 803.34,-1144.85 803.46,-1144.58 ; 803.34,-1144.85 803.46,-1144.58 ; 803.44,-1210.71 803.6,-1210.83 ; 803.44,-1210.71 803.6,-1210.83 ; 803.46,-1144.58 803.5,-1144.48 ; 803.46,-1144.58 803.5,-1144.48 ; 803.5,-1144.48 803.53,-1144.39 ; 803.5,-1144.48 803.53,-1144.39 ; 803.53,-1144.39 803.61,-1144.21 ; 803.53,-1144.39 803.61,-1144.21 ; 803.6,-1210.83 803.68,-1210.88 ; 803.6,-1210.83 803.68,-1210.88 ; 803.61,-1144.21 803.65,-1144.11 ; 803.61,-1144.21 803.65,-1144.11 ; 803.65,-1144.11 803.77,-1143.84 ; 803.65,-1144.11 803.77,-1143.84 ; 803.68,-1210.88 803.76,-1210.94 ; 803.68,-1210.88 803.76,-1210.94 ; 803.76,-1210.94 803.85,-1211 ; 803.76,-1210.94 803.85,-1211 ; 803.77,-1143.84 803.8,-1143.74